# KiCad board Smoothie2Standard.kicad_pcb (continued)
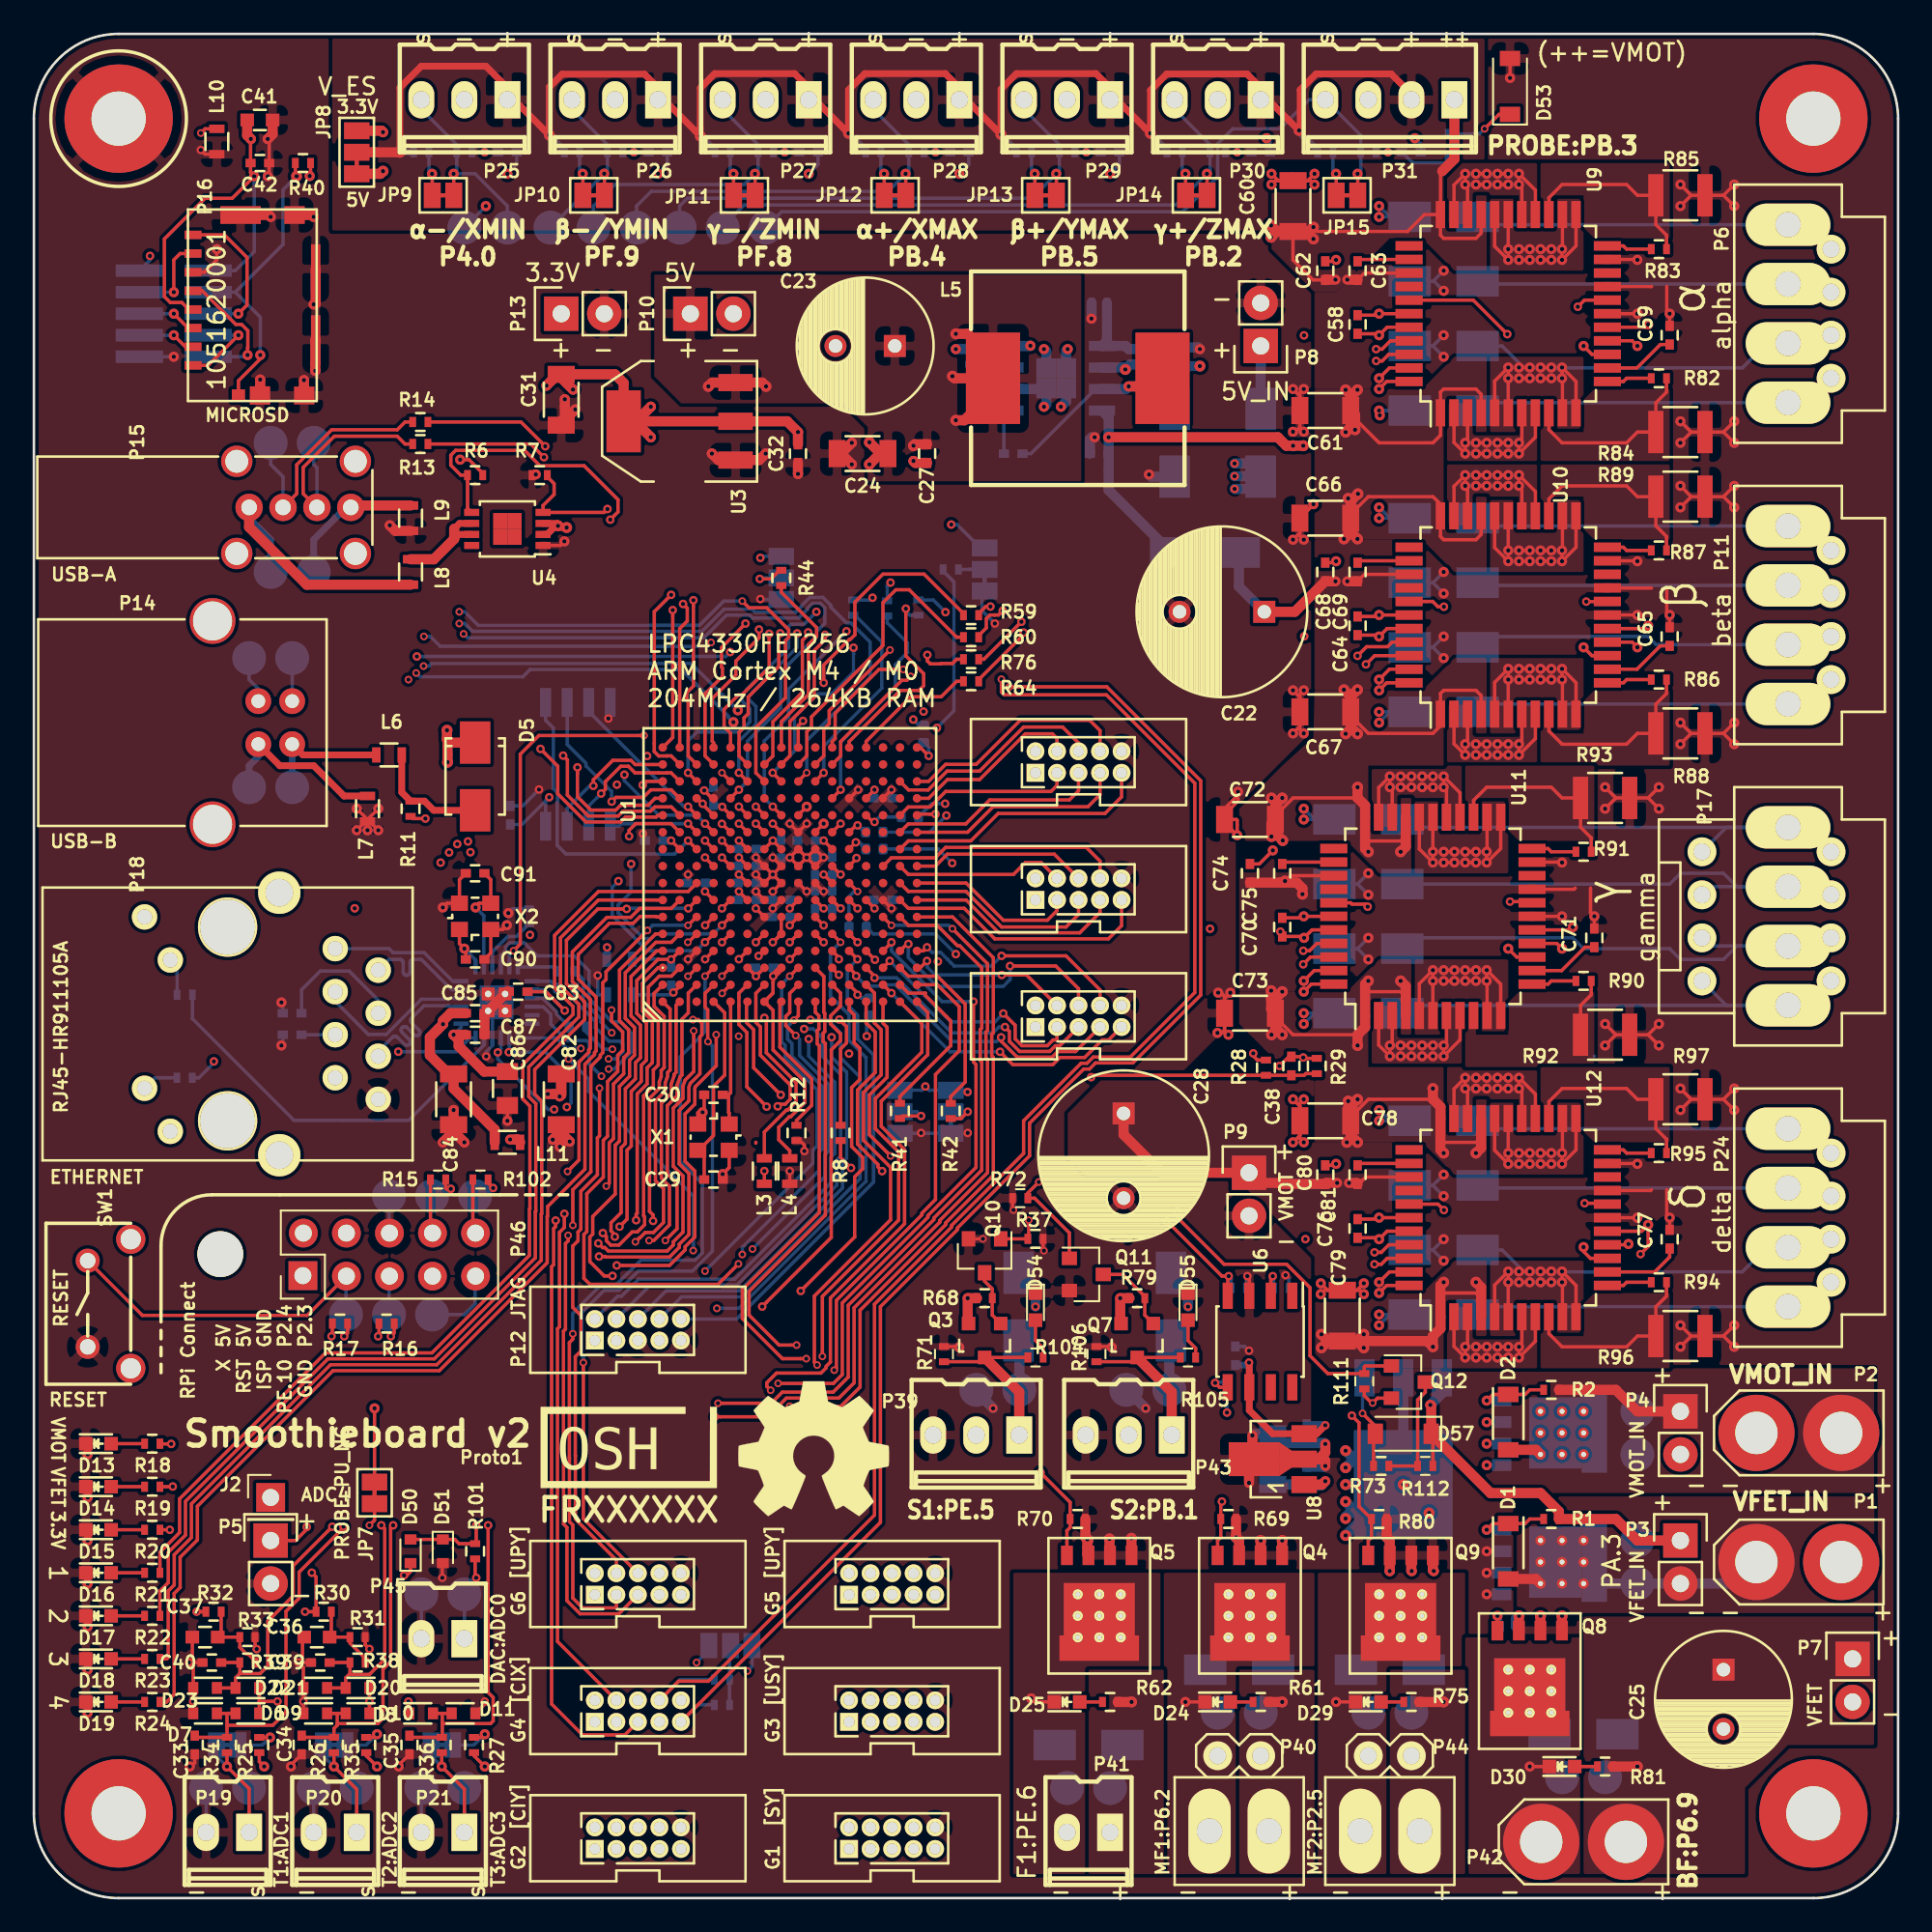
[diagram p0: board, top side]
## Copper pours and planes (outline as drawn; the poured copper is in the pictures) (continued)
/M3_OB1 on Bottom: 83.19,49.04 102.24,49.04 104.78,46.5 104.78,43.96 100.97,43.96 100.33,44.59 83.19,44.59
/M3_OB2 on Top: 85.72,47.14 85.72,42.69 91.44,42.69 91.44,47.14 89.53,47.14 89.53,45.23 87.63,45.23 87.63,47.14
/M3_OB2 on Bottom: 83.19,44.59 100.33,44.59 100.97,43.96 104.78,43.96 104.78,40.15 83.19,40.15
/MOTOR0/BRA on Top: 88.9,84.6 88.9,88.41 89.53,88.41 89.53,86.5 91.44,86.5 91.44,88.41 92.07,89.05 96.52,89.05 96.52,84.6
/MOTOR0/BRB on Top: 88.9,98.57 88.9,102.38 96.52,102.38 96.52,97.94 92.07,97.94 91.44,98.57 91.44,100.48 89.53,100.48 89.53,98.57
/MOTOR1/BRA on Top: 88.9,70.63 89.53,70.63 89.53,68.73 91.44,68.73 91.44,70.63 92.07,71.27 96.52,71.27 96.52,66.82 88.9,66.82
/MOTOR1/BRB on Top: 88.9,80.79 88.9,84.6 96.52,84.6 96.52,80.16 92.07,80.16 91.44,80.79 91.44,82.7 89.53,82.7 89.53,80.79
/MOTOR2/BRA on Top: 84.46,49.04 92.07,49.04 92.07,53.48 87.63,53.48 87,52.85 87,50.95 85.09,50.95 85.09,52.85 84.46,52.85
/MOTOR2/BRB on Top: 84.46,66.82 92.07,66.82 92.07,62.38 87.63,62.38 87,63.01 87,64.92 85.09,64.92 85.09,63.01 84.46,63.01
/MOTOR3/BRA on Top: 88.9,31.26 96.52,31.26 96.52,35.71 92.07,35.71 91.44,35.07 91.44,33.17 89.53,33.17 89.53,35.07 88.9,35.07
/MOTOR3/BRB on Top: 88.9,49.04 96.52,49.04 96.52,44.59 92.07,44.59 91.44,45.23 91.44,47.14 89.53,47.14 89.53,45.23 88.9,45.23
V_ES on Top: 17.6,117.4 17.6,98.4 73.1,98.4 73.1,102.4 85.6,102.4 85.6,117.4
VBB on Top: 85.72,37.61 83.82,37.61 81.91,35.71 75.56,35.71 75.56,31.26 83.19,31.26 83.19,35.07 85.09,35.07 85.09,33.17 85.72,33.17
VBB on Top: 81.28,50.95 80.65,50.95 80.65,52.85 78.74,52.85 78.74,49.04 83.19,49.04 83.19,45.23 85.09,45.23 85.09,47.14 85.72,47.14 85.72,42.69 83.82,42.69 81.91,44.59 75.56,44.59 75.56,49.04 73.66,49.04 71.12,51.58 71.12,53.48 77.47,53.48 79.38,55.39 81.28,55.39
VBB on Top: 85.72,68.73 85.09,68.73 85.09,70.63 83.19,70.63 83.19,66.82 78.74,66.82 78.74,63.01 80.65,63.01 80.65,64.92 81.28,64.92 81.28,60.47 79.38,60.47 77.47,62.38 71.12,62.38 71.12,64.28 73.66,66.82 75.5,68.5 75.56,71.27 81.91,71.27 83.82,73.17 85.72,73.17
VBB on Top: 81.91,66.82 77.47,66.82 77.47,49.04 81.91,49.04 81.91,31.26 108.59,31.26 108.59,23.64 86.36,23.64 83.82,26.18 75.56,26.18 75.56,37.84 71.12,42.28 71.12,42.7 62.1,42.6 61,43.7 61,46.3 63,48.3 67.6,48.3 71.12,51.82 71.12,64.28 75.56,68.73 75.56,100.48 81.91,100.48
VBB on Top: 85.72,86.5 85.09,86.5 85.09,88.41 83.19,88.41 83.19,80.79 85.09,80.79 85.09,82.7 85.72,82.7 85.72,78.25 83.82,78.25 81.91,80.16 75.56,80.16 75.56,89.05 81.91,89.05 83.82,90.95 85.72,90.95
VBB on Top: 85.09,100.48 85.72,100.48 85.72,96.03 83.82,96.03 81.91,97.94 80.01,97.94 76.84,94.76 75.56,94.76 73.03,97.3 73.03,102.38 83.19,102.38 83.19,98.57 85.09,98.57
VBB on In1.Cu: 113.66,23.64 86.36,23.64 83.82,26.18 75.56,26.18 75.56,47.14 71.12,51.58 71.12,64.28 73,66.1 73,92.14 73.03,97.3 73.03,102.38 113.66,102.38
VBB on In6.Cu: 114.94,23.64 86.36,23.64 83.82,26.18 75.56,26.18 75.56,47.14 71.12,51.58 71.12,64.28 75.6,68.65 75.6,94.69 73.03,97.3 73.03,102.38 114.94,102.38
VFET on Top: 91.44,15.39 91.43,15.39 91.43,16.61 108.59,16.61 108.59,9.04 103.5,9.04 100.97,6.5 100.97,1.41 91.44,1.41
VFET on Top: 80.01,13.48 84.46,13.48 84.46,1.41 80.01,1.41
VFET on Top: 71.12,13.48 75.56,13.48 75.56,1.41 71.12,1.41
VFET on Top: 62.23,13.48 66.68,13.48 66.68,1.41 62.23,1.41
VFET on Bottom: 76.9,27.6 78.1,27.6 78.1,21.2 76.9,21.2
VFET on Bottom: 108.59,9.04 103.5,9.04 100.97,6.5 100.97,1.41 91.44,1.41 91.44,15.39 104.14,15.39 104.14,15.44 108.59,15.44
VFET on Bottom: 66.68,1.41 62.23,1.41 62.23,13.48 66.68,13.48
VFET on Bottom: 75.56,14.75 75.56,1.41 71.12,1.41 71.12,14.75
VFET on Bottom: 84.46,1.41 80.01,1.41 80.01,14.75 84.46,14.75
VFET on In1.Cu: 113.66,23.64 113.66,-3.66 57.79,-3.66 57.79,19.2 75.56,19.2 75.56,26.18 83.82,26.18 86.36,23.64
VFET on In6.Cu: 114.94,23.64 114.94,-4.94 57.79,-4.94 57.79,19.2 75.56,19.2 75.56,26.18 83.82,26.18 86.36,23.64
VFET_IN on Bottom: 85.4,32.2 85.4,23.7 108.6,23.7 108.6,16.8 84.5,16.8 84.5,19.2 83.8,19.2 83.8,27.7 82,27.7 82,32.2

## Text on the board
B.SilkS: PC.11 | E.15 | PF.11 | PC.14 | PE.13 | PC.13 | VMOT | VFET | 3.3V | 3.3V / P4.2 / PA.2 / P4.3 / P4.4 | 3.3V / P3.1 / PD.6 / SCL | 3.3V / P8.4 / P4.9 / P8.5 / P | 3.3V / P8.6 / PD.4 / PD.2 | 3.3V / PD.1 / PF.7 / PF.4 | 3.3V / PD.3 / P9.0 / PF.3 / PF.0 | 5V / PA.1 / P4.5 / P4.1 / GND | 5V / P4.8 / P8.3 / GND | 5V / P3.2 / PD.5 / SDA / GND | 5V | 5V / PF.10 / P8.7 / PD.0 / GND | 5V / PF.5 / PF.6 / GND | 5V / PD.7 / PF.1 / PF.2 / GND | ADC4 | 3.3VA | T1:ADC1 | T2:ADC2 | DAC:ADC0 | T3:ADC3 | X / RST / ISP / PE.10 / GND | 3.3V / GND / GND / GND | RPi Connect | [UPY] | [CIX] | [CIY] | [USY] | [SY] | MF1:P6.2 | MF2:P2.5 | 5V / 5V / GND / P2.4 / P2.3 | TMS / TCK / TDO / TDI / TRST | ++ | S1:PE.5 | S2:PB.1 | https://github.com/smoothieware / irc://chat.freenode.net/#smoothieware | 1 (P7.4) | 2 (P7.5) | 3 (P7.6) | 4 (PB.6) | - | GND | s | Proto1 | + | 8MB Flash ROM | CERN OHL v1.2 | GPL v1.3 | V_I2C | 5V_IN | (++=VMOT) | VFET_SW:PA.3 | P7.1 / PE.8 / PE.7 | PB.0 / PE.14 / P7.0 | PE.11 / PE.9 / PE.12 | P6.10 / P6.11 / P6.12 | PF.0 / PF.2 / PF.3 / F7.2 | JTAG | G6 | G4 | G2 | BOOT3 | 1 | 0 | G5 | G3 | G1 | BOOT0 | BOOT1 | F1:PE.6 | BOOT2 | M3/gamma/Z | B   B   A   A | M1/alpha/X | M2/beta/Y | M4/delta/E | DIR / STEP / CS | SCK / MISO / MOSI / SG_TST | MICROSD | USB-A | USB-B | PHY | P8.0 | ETHERNET | SHARED / MOTOR / SIGNALS: | PROBE:PB.3 | α+/XMIN / P4.0 | β-/YMIN / PF.9 | γ-/ZMIN / PF.8 | α+/XMAX / PB.4 | β+/YMAX / PB.5 | γ+/ZMAX / PB.2 | VMOT_IN 12-24V | VFET_IN 12-24V | BF:P6.9 | FRXXXXXX | γ | β | α | δ | Smoothieboard v2
Cmts.User: USB DEVICE / USB-B connector / providing serial / and mass storage / connectivity to a pc | ETHERNET / 10/100 RJ-45 | LEDS / Primary power / Logic Power / 4x User LED | USB MASTER / USB-A connector / supporting mass / storage devices | MicroSD / with true SDIO | ANALOG / 3x thermistor inputs / board thermistor / primary power sense / vfet power sense / dac | ENDSTOPS | GADGET / as many gadget / connectors as / possible with / spare GPIO | 7x Endstop connectors / supporting Min and Max / stops for X, Y, and Z / plus a Probe | SMALL MOSFET / 3x small mosfets / one for fan / two for hotends | SSR / 2x ssr control / outputs with / high side / switching | 5V REGULATOR / onboard 5V 3A reg | LARGE MOSFET / large mosfet for / heated bed | STEPPER MOTORS / 4x TMC2660 bipolar / stepper drivers / configured for 24V / and 2.8A maximums | PRIMARY POWER / XT30 connector for / 12V - 24V input | MOSFET POWER / XT30 connector for / 12V - 24V input | MCU / NXP LPC4330 processor / 200MHz M4 / 200MHz M0 / 264KB RAM | PARALLEL FLASH / 64Mbit (8MByte) of high / speed flash
F.SilkS: VMOT | VFET | 3.3V | RESET | USB-A | USB-B | ETHERNET | MICROSD | ADC4 | 5V | Proto1 | 5V / 5V / GND / P2.4 / P2.3 | RPi Connect | T1:ADC1 | T2:ADC2 | DAC:ADC0 | T3:ADC3 | JTAG | [UPY] | [CIX] | [CIY] | [USY] | [SY] | MF1:P6.2 | MF2:P2.5 | VMOT_IN | VFET_IN | X / RST / ISP / PE.10 / GND | ++ | S1:PE.5 | S2:PB.1 | LPC4330FET256 / ARM Cortex M4 / M0 / 204MHz / 264KB RAM | - | + | V_ES | 5V_IN | (++=VMOT) | s | F1:PE.6 | PA.3 | gamma | alpha | beta | delta | 1 | 2 | 3 | 4 | PROBE:PB.3 | α-/XMIN / P4.0 | β-/YMIN / PF.9 | γ-/ZMIN / PF.8 | α+/XMAX / PB.4 | β+/YMAX / PB.5 | γ+/ZMAX / PB.2 | BF:P6.9 | FRXXXXXX | Smoothieboard v2 | γ | β | α | δ
